# Altium PCB OCP-TimeCardMini-TI_V1.PcbDoc (part 6 of 11)
Units mil, origin at the board's own origin, x right, y up, seen from the top; angles counter-clockwise.
Board outline 5300.46 x 4396.02 mil, 10 copper layers (L01-TOP, L02-GND, L03-SIG, L04-GND, L05-PWR, L06-PWR, L07-GND, L08-SIG, L09-GND, L10-BOT), stack 77.164 mil thick; 832 components, 574 nets, 2904 pads, 1473 vias.
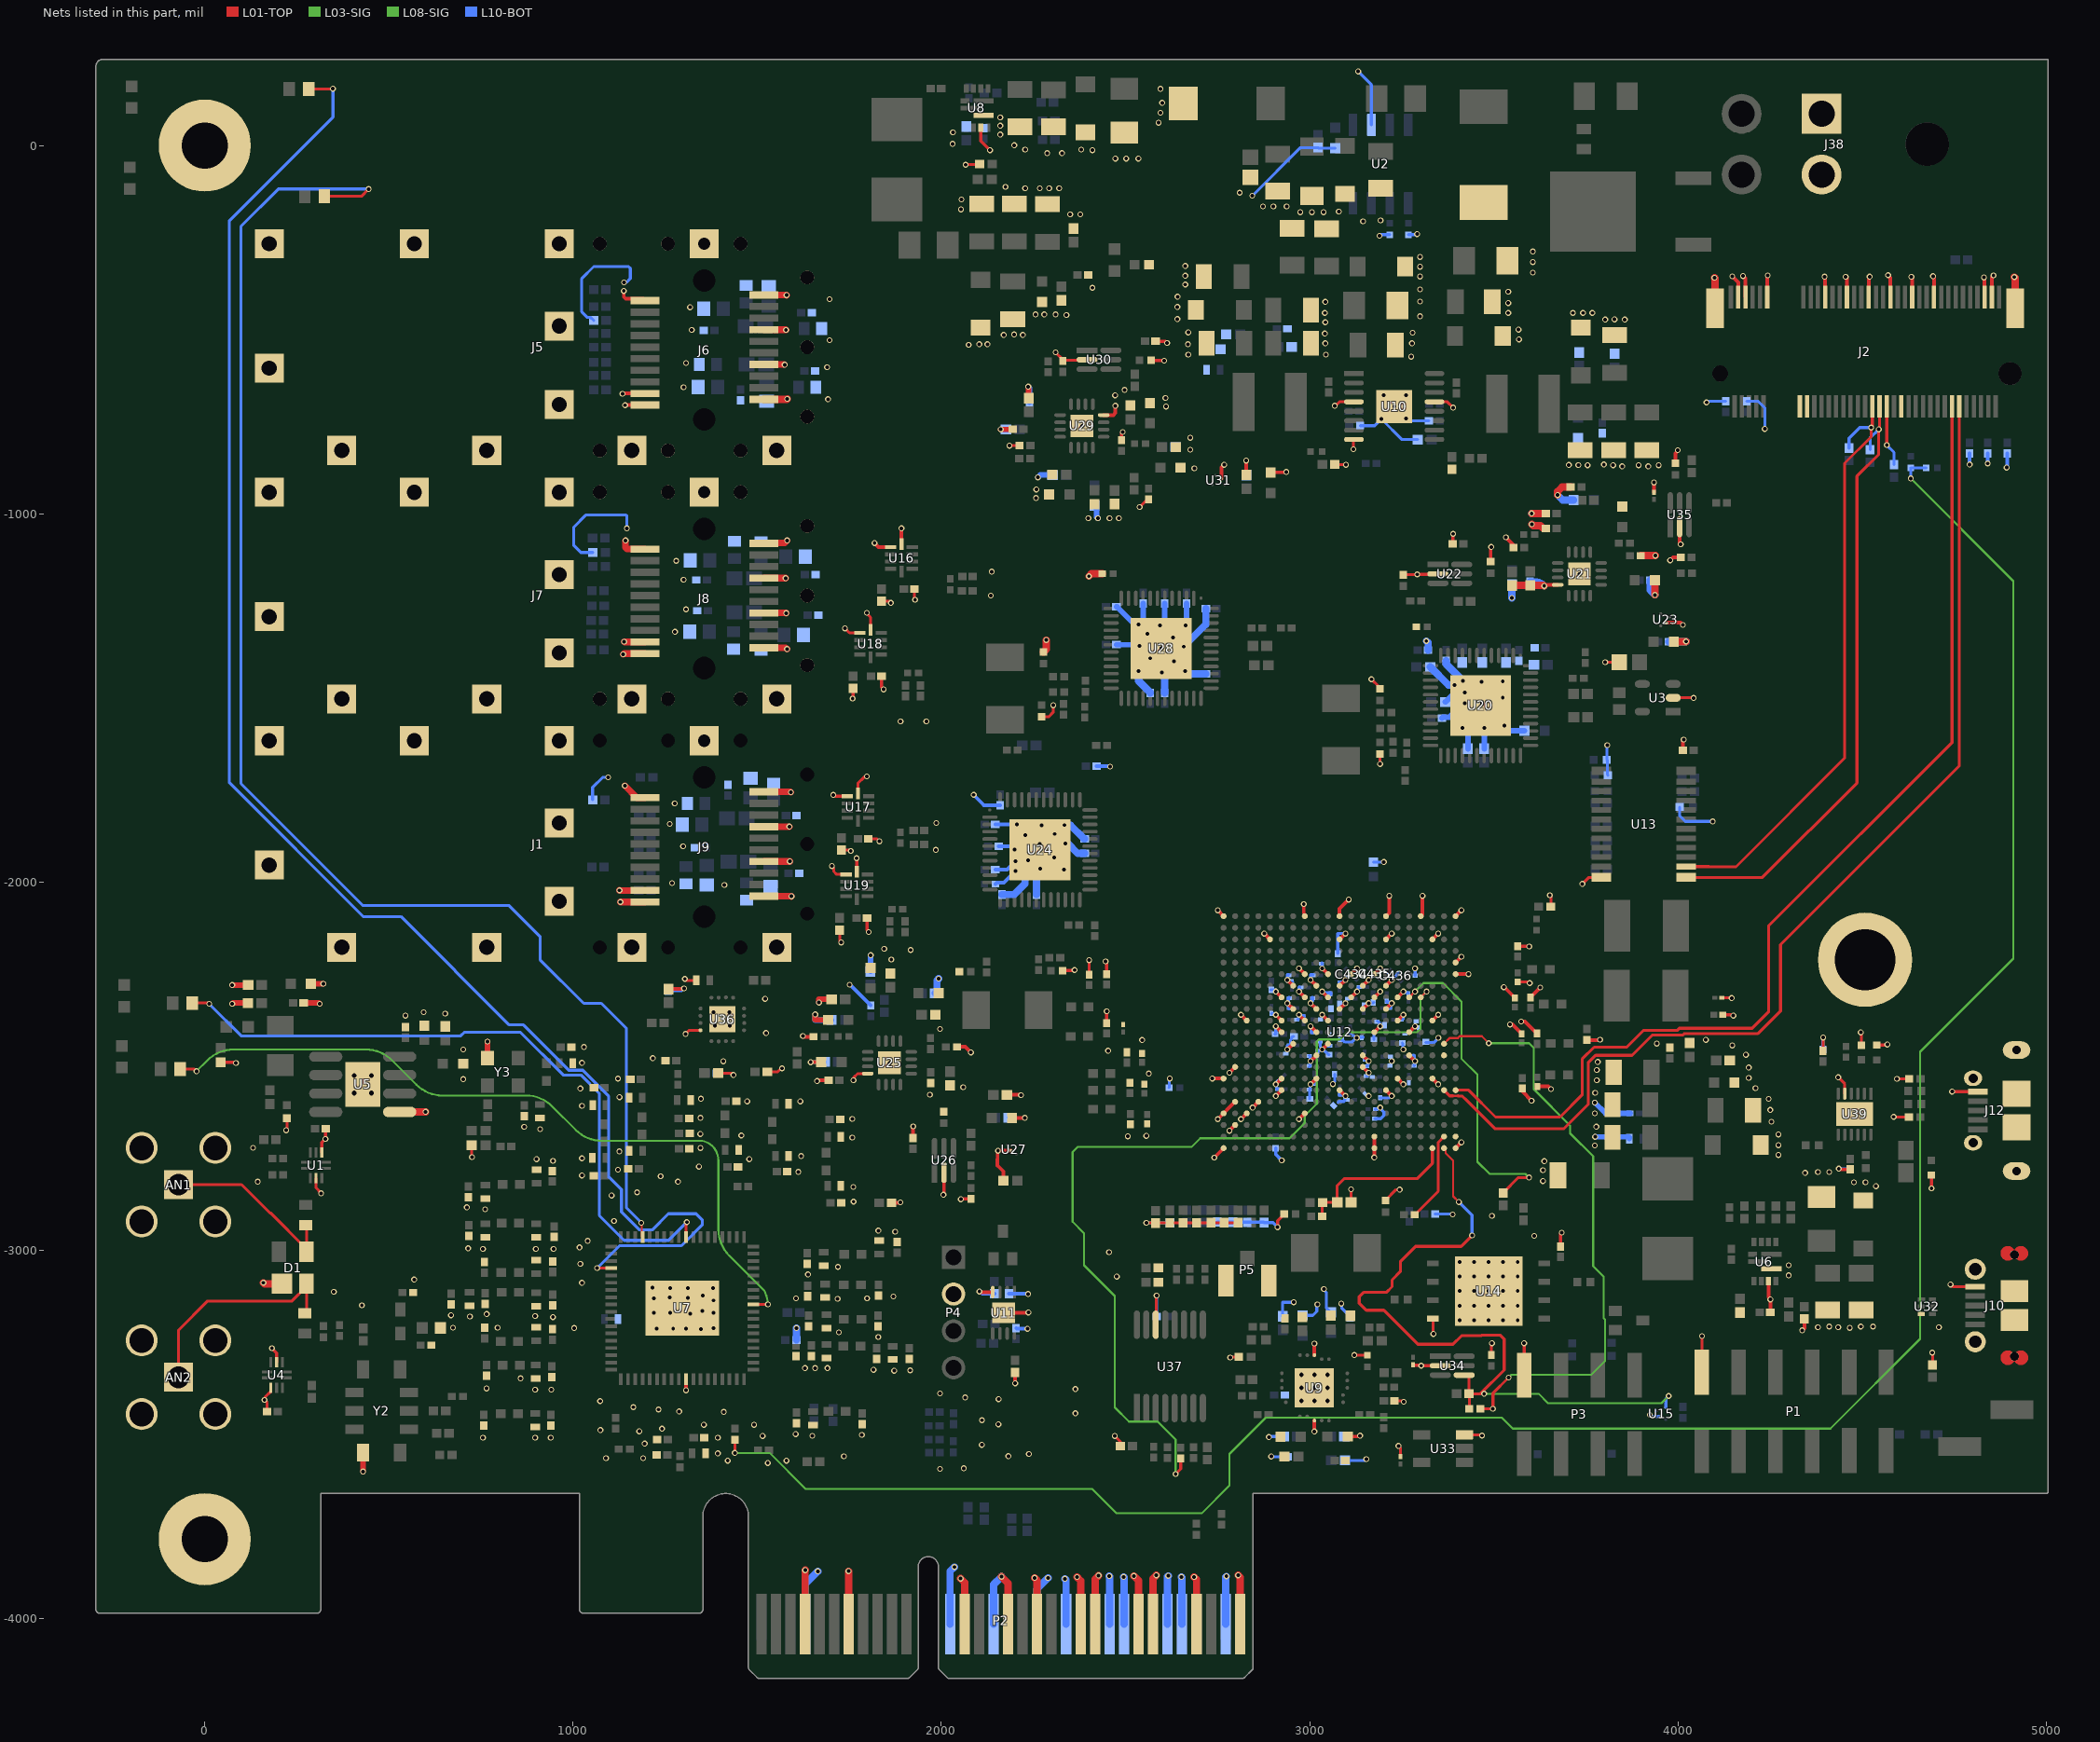
[diagram p14: the nets of this part, all layers, seen from the top]

## Via types
v1: diameter 16, hole 10, L01-TOP to L10-BOT, 1131 vias
v2: diameter 16, hole 10, L01-TOP to L10-BOT, tented both sides, 213 vias
v3: diameter 16, hole 10, L01-TOP to L10-BOT, tented top, 116 vias
v4: diameter 23.62, hole 11.81, L01-TOP to L10-BOT, 9 vias
v5: diameter 25.98, hole 12.99, L01-TOP to L10-BOT, tented top, 4 vias

## Nets (pads, with @x,y where several pads share a name; then routed paths per layer and width w, separated by ;. In a path a pad name is that pad's centre, name@x,y a point inside that pad or via, vN(x,y) a via of type N, cw(c..) or ccw(c..) an arc to the next point about the centre after c; other vN are vias at no path point) (continued)
GND: AN1.2 AN1.3 AN1.4 AN1.5 AN2.2 AN2.3 AN2.4 AN2.5 C1.2 C2.1 C3.2 C4.2 C5.2 C6.1 C7.2 C8.2 C9.1 C10.1 C11.2 C12.2 C13.2 C14.2 C15.1 C16.2 C17.2 C18.1 C19.1 C20.2 C21.2 C22.2 C23.1 C24.2 C25.2 C26.2 C27.1 C28.2 C29.2 C30.2 C31.1 C32.2 C33.2 C34.1 C35.2 C36.1 C37.2 C38.1 C39.2 C40.2 C41.1 C42.2 C43.2 C48.1 C49.2 C50.2 C51.1 C52.2 C53.2 C54.2 C55.2 C56.2 C57.2 C58.2 C59.2 C60.2 C61.2 C63.2 C64.2 C65.2 C66.2 C67.2 C68.2 C69.2 C70.2 C71.2 C72.2 C73.2 C74.1 C75.2 C76.2 C77.2 C78.2 C79.2 C80.2 C81.2 C82.2 C83.2 C84.2 C85.2 C86.2 C87.2 C88.2 C89.2 C90.2 C91.2 C92.2 C93.2 C94.2 C95.2 C96.2 C97.2 C98.2 C99.2 C100.2 C101.2 C102.2 C103.2 C104.2 C105.2 C106.2 C107.2 C108.2 C109.2 C110.2 C111.2 C112.2 C113.2 C114.2 C115.2 C116.2 C117.2 C118.2 C119.2 C120.2 C121.2 C122.2 C123.2 C124.2 C125.2 C126.2 C127.2 C128.2 C129.2 C130.2 C131.2 C132.2 C133.2 C134.2 C135.2 C136.2 C137.2 C138.2 C139.2 C140.2 C141.2 C142.2 C143.2 C144.2 C145.1 C146.2 C147.2 C148.2 C149.2 C150.2 C151.1 C153.2 C154.2 C155.2 C156.2 C157.2 C158.2 C159.2 C160.2 C162.2 C163.2 C164.2 C165.2 C166.2 C167.2 C168.2 C169.2 C170.2 C171.2 C172.2 C173.2 C175.2 C176.2 C177.2 C178.2 C179.2 C180.2 C181.2 C182.2 C183.2 C184.2 C185.2 C186.2 C187.2 C188.2 C189.2 C190.2 C194.2 C195.1 C196.2 C197.2 C198.2 C199.2 C200.2 C201.2 C202.2 C203.2 C204.2 C205.2 C206.2 C207.2 C208.2 C209.1 C210.2 C211.2 C212.2 C213.2 C214.2 C215.2 C216.2 C217.2 C218.2 C219.2 C220.2 C221.2 C222.2 C223.2 C224.2 C225.2 C226.2 C227.2 C228.2 C229.2 C230.2 C231.2 C232.2 C233.2 C236.2 C239.2 C242.2 C245.2 C246.2 C247.2 C248.2 C249.2 C250.2 C251.2 C252.2 C253.2 C254.2 C255.2 C256.2 C257.2 C258.2 C259.2 C260.2 C261.2 C262.2 C263.2 C264.2 C265.2 C266.2 C267.2 C268.2 C269.2 C270.2 C271.2 C272.2 C273.2 C274.2 C275.2 C276.2 C277.2 C278.2 C279.2 C280.2 C281.2 C282.2 C283.2 C284.2 C285.2 C286.2 C287.2 C288.2 C289.2 C290.2 C291.2 C292.2 C293.2 C294.2 C295.2 C296.2 C297.2 C298.2 C299.2 C300.2 C301.2 C302.2 C303.2 C304.2 C305.2 C306.2 C307.2 C308.2 C309.2 C310.2 C311.2 C312.2 C313.2 C314.2 C315.2 C316.2 C317.2 C318.2 C319.2 C320.2 C321.2 C322.2 C323.2 C324.2 C325.2 C326.2 C327.2 C328.2 C329.2 C330.2 C331.2 C332.1 C333.1 C334.1 C335.1 C336.1 C337.1 C338.1 C339.1 C340.2 C341.2 C342.2 C343.2 C344.2 C345.2 C346.2 C347.2 C348.2 C349.2 C350.2 C351.2 C352.2 C353.2 C354.2 C355.2 C356.2 C357.2 C358.2 C359.2 C360.2 C361.2 C362.2 C363.2 C364.2 C365.2 C366.2 C367.2 C368.2 C369.2 C370.2 C371.2 C372.2 C373.2 C374.2 C375.2 C376.2 C377.2 C378.2 C379.2 C380.2 C381.2 C382.2 C383.2 C384.1 C385.2 C386.2 C387.2 C388.2 C389.2 C390.2 C391.2 C392.2 C393.2 C394.2 C395.2 C396.2 C397.2 C398.2 C399.2 C400.2 C401.2 C402.2 C403.2 C404.2 C405.2 C406.2 C407.2 C408.2 C409.2 C410.2 C411.2 C412.2 C413.2 C414.2 C415.2 C416.2 C417.2 C418.2 C419.2 C420.2 C421.2 C422.2 C423.2 C424.2 C425.2 C426.2 C427.2 C428.2 C429.2 C430.2 C431.2 C432.2 C433.2 C434.2 C435.2 C436.2 C443.1 C444.1 C445.2 C446.2 C447.2 C448.2 C449.1 C450.1 C451.2 C452.1 C453.1 C455.1 C456.1 C457.2 C458.2 C459.2 C460.1 C461.1 C462.2 C463.2 C464.2 D1.1 D23.2 J1.MH1 J1.MH2 J1.MH3 J1.MH4 J1.MH5 J1.MH6 J1.MH7 J1.MH8 J1.MH9 J1.MH10 J1.MH11 J1.MH12 J1.MH13 J1.MH14 J1.MH15 J1.MH16 J1.MH17 J1.MH18 J1.MH19 J1.MH20 J2.3 J2.5 J2.11 J2.27 J2.33 J2.39 J2.45 J2.51 J2.57 J2.71 J2.73 J2.76 J2.77 J5.MH1 J5.MH2 J5.MH3 J5.MH4 J5.MH5 J5.MH6 J5.MH7 J5.MH8 J5.MH9 J5.MH10 J5.MH11 J5.MH12 J5.MH13 J5.MH14 J5.MH15 J5.MH16 J5.MH17 J5.MH18 J5.MH19 J5.MH20 J6.1 J6.9 J6.10 J6.11 J6.14 J6.17 J6.20 J7.MH1 J7.MH2 J7.MH3 J7.MH4 J7.MH5 J7.MH6 J7.MH7 J7.MH8 J7.MH9 J7.MH10 J7.MH11 J7.MH12 J7.MH13 J7.MH14 J7.MH15 J7.MH16 J7.MH17 J7.MH18 J7.MH19 J7.MH20 J8.1 J8.9 J8.10 J8.11 J8.14 J8.17 J8.20 J9.1 J9.9 J9.10 J9.11 J9.14 J9.17 J9.20 J10.5 J10.6 J10.7 J10.8 J10.9 J10.10 J10.11 J12.5 J12.6 J12.7 J12.8 J12.9 J12.10 J12.11 J38.1 J38.2 P1.2 P2.A4 P2.A12 P2.A15 P2.A18 P2.A20 P2.A23 P2.A24 P2.A27 P2.A28 P2.A31 P2.B4 P2.B7 P2.B13 P2.B16 P2.B18 P2.B21 P2.B22 P2.B25 P2.B26 P2.B29 P2.B32 P3.2 P4.2 P5.2 P5.3 pad.2 pad.MH1 pad.MH2 R9.2 R18.2 R28.2 R31.1 R34.1 R43.1 R48.1 R52.1 R60.1 R61.1 R62.2 R64.2 R66.1 R70.2 R72.1 R76.2 R77.1 R78.2 R89.1 R95.1 R113.1 R115.1 R125.1 R126.1 R127.1 R128.1 R130.1 R131.2 R137.1 R138.1 R140.1 R142.1 R144.2 R145.2 R151.1 R152.1 R153.1 R156.2 R157.2 R163.1 R164.1 R168.1 R171.2 R172.1 R173.1 R184.2 R185.2 R187.2 R190.1 R191.1 R193.1 R194.1 R195.1 R197.1 R198.1 R199.1 R200.1 R201.1 R202.1 R203.1 R220.2 R234.2 R235.2 R236.2 R250.1 R260.1 U1.4 U1.8 U2.6 U3.2 U4.4 U4.8 U5.5 U5.9 U6.1 U6.11 U7.10 U7.73 U8.1 U8.11 U9.3 U9.13 U9.21 U10.4 U10.8 U10.13 U10.17 U11.4 U11.9 U12.A1 U12.A5 U12.A6 U12.A21 U12.AA1 U12.AA15 U12.AA18 U12.AA21 U12.C3 U12.C10 U12.C15 U12.D1 U12.E11 U12.E13 U12.F8 U12.F10 U12.F15 U12.G1 U12.G3 U12.G7 U12.G9 U12.G16 U12.H6 U12.H8 U12.H11 U12.H20 U12.H21 U12.J7 U12.J9 U12.J13 U12.J14 U12.K6 U12.K8 U12.L1 U12.L3 U12.L7 U12.L9 U12.L16 U12.M6 U12.M8 U12.M10 U12.M12 U12.N7 U12.N9 U12.N11 U12.N13 U12.N15 U12.P1 U12.P6 U12.P8 U12.P10 U12.P18 U12.R7 U12.R9 U12.R12 U12.T8 U12.T10 U12.T11 U12.T15 U12.T16 U12.U3 U12.V17 U12.W10 U12.W18 U12.Y14 U12.Y17 U12.Y19 U13.12 U14.4 U14.9 U15.2 U16.1 U16.10 U17.1 U17.10 U18.1 U18.10 U19.1 U19.10 U20.49 U21.12 U21.17 U22.2 U23.2 U24.49 U25.12 U25.17 U26.2 U27.2 U28.49 U29.12 U29.17 U30.2 U31.2 U32.3 U33.3 U34.2 U35.2 U36.4 U36.17 U37.14 U39.5 U39.13 Y2.5 Y3.3 | length 20473.4
  L01-TOP w8: R31.1@43.19,-2489.01 82.94,-2489.01 v1(84.85,-2490.92) ; C29.2@169.39,-3437.26 169.39,-3413.23 v1(162.22,-3406.06) 163.75,-3404.53 163.75,-3398.44 179.54,-3382.65 U4.8@179.54,-3372.65 ; v1(182.49,-3265.68) 195.29,-3278.48 U4.4@195.29,-3303.65 ; v1(221.16,-2673.81) 223.18,-2671.78 R34.1@223.18,-2641.55 ; U1.4@302.29,-2803.4 302.29,-2830.24 315.79,-2843.74 v1(315.79,-2845.03) ; U1.8@318.04,-2734.4 318.04,-2706.89 v1(327.64,-2697.29) 328.03,-2696.9 328.03,-2669.72 C26.2@328.43,-2669.33 ; R89.1@724.89,-2714.38 724.89,-2746.13 v1(725.54,-2746.78) ; v3(1303.58,-2262.73) 1307.57,-2266.73 C104.2@1334.89,-2266.73 ; v1(1305.64,-2412.2) 1315.59,-2402.25 U36.4@1346.13,-2402.25 ; C446.2@1394.38,-2518.84 1430.58,-2518.84 v1(1435.3,-2523.56) ; R220.2@1527.61,-2515.16 1555.71,-2515.16 1565.27,-2505.6 v1(1567.43,-2505.6) ; v3(1702.87,-1956.28) 1707.71,-1961.11 1707.71,-1971.14 1715.58,-1979.02 U19.1@1741.1,-1979.02 ; v3(1706.46,-1762.94) 1708.63,-1762.94 1712.26,-1766.58 U17.1@1744.55,-1766.58 ; R130.1@1724.03,-2130.49 1724.03,-2159.81 v3(1728.02,-2163.8) ; R115.1@1728.95,-1913.23 1751.85,-1913.23 v1(1753.99,-1915.38) ; v3(1738.4,-1310.98) 1750.6,-1323.18 U18.1@1778.55,-1323.18 ; v1(1759.1,-1501.76) 1760.15,-1500.71 R125.1@1760.15,-1473.87 ; v1(1761.24,-2537.81) 1762.77,-2536.28 1762.77,-2529.67 1772.36,-2520.08 U25.12@1800.11,-2520.08 ; v1(1770.02,-1935) 1770.28,-1935.26 U19.10@1770.28,-1971.14 ; U17.10@1773.73,-1758.7 1773.73,-1730.95 1790.31,-1714.37 1796.06,-1714.37 v1(1797.59,-1712.84) ; v1(1797.61,-1268.8) 1797.61,-1270.96 1807.74,-1281.08 U18.10@1807.74,-1315.31 ; C242.2@1798.26,-2098.01 1798.26,-2130.7 v1(1802.9,-2135.34) ; C236.2@1801.85,-1882.72 1825.51,-1882.72 v1(1831.92,-1889.13) ; C239.2@1837.52,-1440.55 1837.52,-1470.74 v1(1843.4,-1476.62) ; R113.1@1837.52,-1237.33 1858.18,-1237.33 v1(1862.8,-1241.95) ; C233.2@1927,-1204.35 1927,-1231.86 v1(1928.61,-1233.48) ; v1(2065.78,-52.17) 2066.82,-51.13 2103.07,-51.13 R95.1@2104.11,-50.09 ; U8.11@2106.95,48.52 2106.95,12.58 v1(2132.04,-12.5) ; v1(2184.83,-814.79) 2212.2,-814.79 R163.1@2212.27,-814.73 ; C452.1@2272.43,-1550.8 2291.85,-1550.8 2303.54,-1539.11 2303.54,-1520.01 v1(2303.77,-1519.78) ; v1(2310.14,-561.63) 2329.75,-581.23 R171.2@2329.75,-585.02 ; C455.1@2329.35,-2240.09 2360.24,-2240.09 v1(2361.67,-2238.66) ; R171.2@2331.87,-582.9 2394.34,-582.9 U30.2@2395.64,-581.6 ; C347.2@2401.26,-2251.63 2401.26,-2211.97 v1(2401.35,-2211.89) ; v1(2446.06,-2215.23) 2448.82,-2217.99 C348.2@2448.82,-2250.31 ; C360.2@2448.82,-2382.85 v1(2448.82,-2350.77) ; v1(2470.69,-3503.71) 2485.57,-3518.59 R234.2@2485.57,-3531.02 ; R168.1@2489.03,-799.96 2489.03,-781.09 v1(2492.44,-777.68) ; v1(2538.18,-981.5) 2558.5,-961.18 R164.1@2562.5,-961.18 ; v1(2556.43,-2925.24) 2804.29,-2925.24 R191.1@2805.2,-2924.33 ; C331.2@2569.2,-583.37 2604.28,-583.37 v1(2605.13,-584.22) ; C330.2@2581.58,-531.5 2608.39,-531.5 v1(2612.91,-536.02) ; U37.14@2582.02,-3201.71 2583.12,-3200.61 2583.12,-3123.54 v1(2584.22,-3122.44) ; v1(2784.09,-3290.69) 2785.41,-3289.37 R48.1@2807.28,-3289.37 ; v1(2912.99,-2936.75) 2912.99,-2919.06 C443.1@2930.69,-2901.37 ; v2(2983.97,-2059.81) 2983.99,-2084.27 2986.73,-2087.01 U12.P1@2986.68,-2092.35 ; R60.1@3067.91,-866.14 3098.16,-866.14 v1(3098.66,-866.65) ; v1(3067.91,-706.41) 3070.08,-706.41 3080.6,-695.88 U10.4@3120.15,-695.88 ; C201.2@3103.15,-3505.36 3134.54,-3505.36 v1(3136.78,-3503.12) ; R260.1@3112.16,-2869.82 3112.16,-2834.33 v3(3112.3,-2834.19) ; v1(3118.79,-824.8) 3118.79,-799.6 U10.8@3120.15,-798.24 ; v1(3121.38,-3284.02) 3121.81,-3284.45 R52.1@3157.14,-3284.45 ; v1(3167.68,-1449.1) 3188.56,-1469.99 cw(c3183.53,-1475.02) C450.1@3190.65,-1475.02 ; C449.1@3191.09,-1651.83 3191.09,-1678.82 v1(3191.31,-1679.04) ; C444.1@3205.5,-2864.22 3234.82,-2834.9 v3(3244.34,-2834.9) ; C194.2@3230.31,-3408.86 3253.37,-3408.86 v1(3255.56,-3411.04) ; v1(3240.97,-3530.92) 3246.68,-3536.63 C429.2@3246.68,-3560.07 ; R144.2@3253.88,-1166.09 3254.74,-1165.23 3290.99,-1165.23 v1(3291.85,-1164.37) 3346.84,-1164.37 U22.2@3348.14,-1163.07 ; C430.2@3280.18,-3310.43 3280.18,-3310.53 3281.35,-3311.7 3301.54,-3311.7 v1(3302.81,-3312.97) 3302.87,-3312.91 U34.2@3354.86,-3312.91 ; U14.4@3334.77,-3185.4 3334.77,-3225.49 v1(3335.77,-3226.49) ; U10.13@3338.69,-695.88 3373.82,-695.88 v1(3389.57,-711.63) ; C272.2@3388.29,-1081.83 3388.8,-1081.32 3388.8,-1054.79 v1(3389.32,-1054.27) ; U33.3@3420.32,-3500.44 3465.69,-3500.44 v1(3467.97,-3502.72) ; C273.2@3491.23,-1129.24 3491.23,-1091.54 v1(3492.93,-1089.84) ; C432.2@3493.23,-3283.84 3493.23,-3253.3 v1(3494.74,-3251.79) ; C381.2@3564.69,-2270.87 3594.05,-2270.87 v1(3597.25,-2274.07) ; C380.2@3564.69,-2174.26 3595.61,-2174.26 v1(3595.95,-2174.6) ; P3.2@3582.28,-3338.58 v1(3582.28,-3252.08) ; v1(3652.05,-2035.39) 3654.88,-2038.22 R173.1@3654.88,-2066.85 ; C232.2@3681.15,-2989.08 3681.15,-2954.7 v1(3684.27,-2951.58) ; v1(3740.34,-2004.85) 3757.99,-1987.2 U13.12@3791.9,-1987.2 ; v1(3802.22,-1402.89) 3802.51,-1403.17 C36.1@3840.46,-1403.17 ; U3.2@3987.1,-1499.46 4041.91,-1499.46 v1(4042.22,-1499.78) ; P1.2@4064.96,-3330.71 v1(4064.96,-3232.47) ; C412.2@4119.44,-2314.25 4145.14,-2314.25 v1(4145.8,-2314.91) ; C411.2@4121.77,-2360.07 4148.19,-2360.07 v1(4150.45,-2362.33) ; C458.2@4393.5,-2458.23 4393.82,-2457.91 4393.82,-2422.04 v1(4394.14,-2421.73) ; v1(4435.02,-2530.01) 4452.74,-2547.73 U39.5@4452.74,-2574.13 ; v1(4436.55,-2777.95) 4438.63,-2780.03 C463.2@4467.36,-2780.03 ; v1(4496.08,-2408.11) 4498.03,-2410.06 C462.2@4498.03,-2442.98 ; R250.1@4539.42,-2442.49 4566.81,-2442.49 v1(4568.28,-2441.03) ; v1(4585.69,-2637.26) ccw(c4587.12,-2635.83) 4587.12,-2637.85 C461.1@4627.22,-2637.85 ; v1(4594.34,-2534.05) 4594.63,-2533.76 C460.1@4627.98,-2533.76 ; C457.2@4687.97,-2795.16 4688.19,-2795.38 4688.19,-2831.15 v1(4688.41,-2831.37) ; v1(4690.04,-3277.53) 4691.17,-3278.67 R185.2@4691.17,-3310.65 ; v1(4739.9,-3092.65) 4745.68,-3098.43 J10.5@4807.09,-3098.43 ; v1(4744.26,-2568.66) 4744.55,-2568.95 J12.5@4813.98,-2568.95 ; v1(4830.71,-358.27) v1@4831.69,-359.25 ; J2.71@4831.69,-410.45 J2.71@4832.68,-411.43
  L01-TOP w10: v3(1134.14,-674.18) 1135.08,-673.23 J6.9@1194.88,-673.23 ; v3(1137.8,-394.69) 1137.8,-410.56 1143.65,-416.42 1190.04,-416.42 J6.1@1194.88,-421.26 ; v3(1141.2,-705.02) 1141.49,-704.72 J6.10@1194.88,-704.72 ; C445.2@1258.82,-2290.4 1299.64,-2290.4 v1(1301.36,-2288.69) ; U7.10@1306.72,-3349.59 1306.72,-3379.43 v1(1306.9,-3379.61) ; v3@1573.87,-594.49 v3(1574.6,-595.23) ; v1(1624.02,-2417.76) 1625.93,-2419.68 R153.1@1653.09,-2419.68 ; v1(1645.19,-2488.79) 1645.36,-2488.62 1673.67,-2488.62 C295.2@1673.84,-2488.44 ; v1(1662.71,-2540.02) 1664.54,-2538.19 C298.2@1693.86,-2538.19 ; v1(1818.51,-1079.3) 1829.4,-1090.18 U16.1@1862.3,-1090.18 ; R70.2@1864.69,-2870.8 1887.5,-2870.8 v1(1888.99,-2869.31) ; U16.10@1891.49,-1082.31 1891.49,-1039.62 v1(1891.8,-1039.31) ; C301.2@1923.24,-2695.17 1923.24,-2663.45 v1(1923.62,-2663.07) ; v1(2005.7,-2848.88) 2007.06,-2847.52 U26.2@2007.06,-2787.77 ; R151.1@2042.18,-2447.25 2065.2,-2447.25 v1(2080.31,-2462.35) ; v1(2052.95,-2860.89) 2053.86,-2859.97 R156.2@2080.31,-2859.97 ; v1(2103.3,-3111.46) 2105.11,-3113.28 U11.4@2139.39,-3113.28 ; C297.2@2168.3,-2811.15 2168.3,-2785.24 2151.96,-2768.9 2151.96,-2752.92 2152.65,-2752.23 2152.65,-2730.61 v1(2153.8,-2729.46) 2154.02,-2729.24 U27.2@2188.57,-2729.24 ; U11.9@2168.92,-3169.4 2235.15,-3169.4 v1(2236.17,-3168.38) ; C275.2@2178.21,-2577.35 2214.96,-2577.35 v1(2215.93,-2578.32) ; C274.2@2191.72,-2640.07 v1(2226.45,-2640.06) ; R76.2@2200.17,-3331.65 2200.17,-3360.75 v1(2200.27,-3360.85) ; U29.12@2440.63,-731.79 2466.49,-731.79 2472.35,-725.93 v1(2472.35,-706.41) ; v2(2735.68,-2533.35) U12.AA15@2766.18,-2533.35 ; v2(2741.03,-2747.81) 2741.03,-2747.66 U12.AA21@2766.18,-2722.35 U12.AA21@2766.26,-2722.27 ; v2(2750.51,-2643.53) U12.Y17@2797.75,-2596.29 ; v2(2750.51,-2076.61) U12.AA1@2766.18,-2092.35 ; U31.2@2760.08,-904.69 2760.08,-874.48 v1(2767.76,-866.8) ; v2(2782.01,-2675.03) U12.Y19@2797.75,-2659.28 ; v2(2782.01,-2517.55) U12.Y14@2797.75,-2501.8 ; v2(2813.5,-2643.53) U12.W18@2829.25,-2627.79 ; v2(2813.5,-2360.07) U12.W10@2829.25,-2375.82 ; v1(2827.61,-855.47) 2827.88,-855.75 2827.88,-894.38 C305.2@2828.16,-894.66 ; v2(2845,-2612.04) U12.V17@2860.75,-2596.29 ; v2(2876.49,-2139.6) U12.U3@2892.24,-2155.35 ; C303.2@2893.99,-888.16 2894.87,-887.28 2935.46,-887.28 v1(2936.34,-886.39) ; v2(2907.99,-2580.54) U12.T16@2923.68,-2564.85 U12.T16@2923.74,-2564.79 ; v2(2907.99,-2549.05) U12.T15@2923.74,-2533.3 ; v2(2907.99,-2391.57) U12.T11@2923.74,-2407.31 ; v2(2907.99,-2360.07) U12.T10@2923.74,-2375.82 ; v2(2907.99,-2297.08) U12.T8@2923.74,-2312.83 ; v2(2939.49,-2454.56) U12.R12@2955.23,-2438.81 ; v2(2939.49,-2328.57) U12.R9@2955.23,-2344.32 ; v2(2939.49,-2265.58) U12.R7@2955.23,-2281.33 ; v2(2970.98,-2643.53) U12.P18@2986.73,-2627.79 ; v2(2970.98,-2360.07) U12.P10@2986.73,-2375.82 ; v2(2970.98,-2297.08) U12.P8@2986.73,-2312.83 ; v2(2970.98,-2234.09) U12.P6@2986.73,-2249.83 ; v2(3002.48,-2549.05) U12.N15@3018.23,-2533.3 ; v2(3002.48,-2486.05) U12.N13@3018.18,-2470.35 U12.N13@3018.23,-2470.31 ; v2(3002.48,-2391.57) U12.N11@3018.23,-2407.31 ; v2(3002.48,-2328.57) U12.N9@3018.23,-2344.32 ; v2(3002.48,-2265.58) U12.N7@3018.23,-2281.33 ; v1(3012.95,-3491.65) U9.3@3012.95,-3461.97 ; U9.13@3012.95,-3284.41 v1(3012.95,-3252.63) v1@3013.5,-3252.08 ; v2(3033.97,-2454.56) U12.M12@3049.68,-2438.85 ; v2(3033.97,-2360.07) U12.M10@3049.72,-2375.82 ; v2(3033.97,-2297.08) U12.M8@3049.72,-2312.83 ; v2(3033.97,-2234.09) U12.M6@3049.72,-2249.83 ; U12.L16@3081.22,-2564.79 v2(3096.97,-2580.54) ; U12.L9@3081.22,-2344.32 v2(3096.97,-2328.57) ; U12.L7@3081.22,-2281.33 v2(3096.97,-2265.58) ; U12.L3@3081.22,-2155.35 v2(3096.97,-2139.6) ; U12.L1@3081.18,-2092.35 3081.22,-2072.31 v2(3106.22,-2047.31) ; U12.K8@3112.71,-2312.83 v2(3128.46,-2297.08) ; U12.K6@3112.71,-2249.83 v2(3128.46,-2234.09) ; U12.J14@3144.21,-2501.8 v2(3159.96,-2517.55) ; U12.J13@3144.21,-2470.31 v2(3159.96,-2486.05) ; U12.J9@3144.21,-2344.32 v2(3159.96,-2328.57) ; U12.J7@3144.21,-2281.33 v2(3159.96,-2265.58) ; v2(3175.12,-2747.57) 3175.12,-2743.41 3175.71,-2742.83 U12.H20@3175.71,-2690.78 ; U12.H11@3175.71,-2407.31 v2(3191.45,-2391.57) ; U12.H8@3175.71,-2312.83 v2(3191.45,-2297.08) ; U12.H6@3175.71,-2249.83 v2(3191.45,-2234.09) ; U12.G16@3207.2,-2564.79 v2(3222.95,-2580.54) ; U12.G9@3207.2,-2344.32 v2(3222.95,-2328.57) ; U12.G7@3207.2,-2281.33 v2(3222.95,-2265.58) ; U12.G3@3207.2,-2155.35 v2(3222.95,-2139.6) ; U12.G1@3207.18,-2092.35 3216.22,-2083.34 v2(3216.22,-2037.31) ; U12.F15@3238.7,-2533.3 v2(3254.45,-2549.05) ; U12.F10@3238.7,-2375.82 v2(3254.45,-2360.07) ; U12.F8@3238.7,-2312.83 v2(3254.45,-2297.08) ; U12.E13@3270.19,-2470.31 v2(3285.94,-2486.05) ; U12.E11@3270.19,-2407.31 v2(3285.94,-2391.57) ; U12.D1@3301.68,-2092.35 3306.22,-2087.83 v2(3306.22,-2037.31) ; U12.C15@3333.19,-2533.3 v2(3348.93,-2549.05) ; U12.C10@3333.19,-2375.82 v2(3348.93,-2360.07) ; U12.C3@3333.19,-2155.35 v2(3348.93,-2139.6) ; U12.A21@3396.18,-2722.27 v2(3411.93,-2706.53) ; U12.A6@3396.18,-2249.83 v2(3431.22,-2249.83) ; U12.A5@3396.18,-2218.34 v2(3411.93,-2202.59) ; U12.A1@3396.18,-2092.35 v2(3411.93,-2076.61) ; v1(3526.92,-2285.15) 3527.96,-2285.15 C397.2@3557.37,-2314.55 ; v1(3532.92,-1063.89) 3553.09,-1084.06 R140.1@3553.09,-1091.91 ; v1(3543.68,-2386.59) 3550.62,-2386.59 C358.2@3575.54,-2411.5 ; v1(3574.11,-2378.55) 3584.88,-2378.55 C357.2@3617.53,-2411.19 ; C354.2@3577.49,-2560.3 3577.49,-2568.55 v1(3602.54,-2593.6) ; C396.2@3599.26,-2313.09 3625.87,-2286.48 v1(3625.87,-2285.93) ; C355.2@3618.67,-2554.47 3647.82,-2554.47 v1(3655.36,-2562.02) ; v1(3636.88,-1195.62) 3638.51,-1195.62 3641.45,-1192.67 U21.12@3673.34,-1192.67 ; C338.1@3752.38,-2428.58 3787.94,-2428.58 v1(3788.59,-2427.93) ; v1(3934.84,-914.93) 3935.25,-915.34 C431.2@3935.25,-941.07 ; U23.2@3968.95,-1295.57 4007.43,-1295.57 v1(4013.33,-1301.48) ; v1(3978.56,-1126.29) 3986.45,-1118.39 R184.2@4007.45,-1118.39 ; C433.2@3992.58,-862.2 3992.58,-835.78 3999.47,-828.89 v1(3999.47,-827.27) ; U35.2@4004.47,-1034.75 4004.47,-1079.83 v1(4007.25,-1082.61) ; C70.2@4013.33,-1641.73 4013.33,-1615.29 v1(4015.53,-1613.09) ; v1(4147.47,-355.17) 4163.39,-371.09 J2.3@4163.39,-411.43 ; v1(4176.68,-354.3) 4183.07,-360.69 J2.5@4183.07,-411.43 ; J2.11@4242.13,-411.43 4242.13,-353.93 v1(4243.49,-352.57) ; U6.11@4245.99,-3083.31 4245.99,-3126.8 4250.71,-3131.52 v1(4250.71,-3133.15) 4250.62,-3133.23 4250.62,-3168.27 C173.2@4250.54,-3168.35 ; v1(4337.37,-3217.17) 4343.08,-3211.45 R43.1@4343.08,-3186.07 ; v1(4397.95,-356.04) 4399.61,-357.69 J2.27@4399.61,-411.43 ; v1(4455.22,-356.33) 4458.66,-359.76 J2.33@4458.66,-411.43 ; J2.39@4517.72,-411.43 4517.72,-358.63 v1(4520.3,-356.04) ; v1(4570.34,-351.99) 4576.77,-358.42 J2.45@4576.77,-411.43 ; v1(4633.69,-356.62) 4635.83,-358.76 J2.51@4635.83,-411.43 ; v1(4692.41,-354.88) 4694.88,-357.36 J2.57@4694.88,-411.43 ; J2.71@4831.69,-410.45 v1@4831.69,-359.25 ; J2.73@4852.36,-411.43 4852.36,-357.11 v1(4856.65,-352.82)
  L01-TOP w15: v1(74.69,-2330.54) 74.96,-2330.54 77.26,-2328.24 C60.2@116.99,-2328.24 ; v1(74.69,-2279.43) C59.2@117.46,-2279.43 ; C61.2@268.5,-2328.24 309.63,-2328.24 311.92,-2330.54 v1(312.19,-2330.54) ; C58.2@288.51,-2275.85 v3(322.04,-2275.85) ; v1(429.73,-3600.31) 430.14,-3599.9 Y2.5@430.14,-3548.97 ; v1(767.59,-2432.67) 767.59,-2432.94 767.98,-2433.34 Y3.3@767.98,-2478.2 ; v1(1657.51,-2359.1) 1657.51,-2373.95 C279.2@1692.68,-2373.95 ; v1(1667.85,-2326.86) 1667.85,-2318.23 C280.2@1701.68,-2318.23 ; v1(2161.19,-770.76) C327.2@2194.11,-770.76 ; v1(2235.84,-654.57) 2235.84,-654.84 2237.07,-656.08 C325.2@2237.07,-686.54
  L01-TOP w18: v3(1126.01,-2022.23) 1126.26,-2022.48 J9.9@1194.88,-2022.48 ; v3(1128.55,-2053.86) 1128.67,-2053.98 J9.10@1194.88,-2053.98 ; v3(1136.26,-1381.32) 1138.23,-1379.35 J8.10@1194.88,-1379.35 ; v3(1138.77,-1347.22) 1139.41,-1347.86 J8.9@1194.88,-1347.86 ; v3(1140.64,-1738.18) 1172.97,-1770.52 J9.1@1194.88,-1770.52 ; v3(1142.53,-1072.27) 1142.53,-1091.42 1146.16,-1095.05 1194.04,-1095.05 J8.1@1194.88,-1095.89 ; J9.11@1517.72,-2038.23 1592.79,-2038.23 v3(1593.15,-2038.6) ; J9.14@1517.72,-1943.74 v3(1588.42,-1943.71) v3(1588.42,-1943.71) ; J9.17@1517.72,-1849.26 1587.26,-1849.26 v3(1587.33,-1849.18) ; J9.20@1517.72,-1754.77 1590.06,-1754.77 v3(1591.33,-1756.03) ; J8.11@1517.72,-1363.6 1577.64,-1363.6 v3(1581,-1366.96) ; J8.14@1517.72,-1269.12 1578.44,-1269.12 v3(1578.92,-1269.59) ; J8.17@1517.72,-1174.63 1576.75,-1174.63 v3(1576.99,-1174.87) ; J8.20@1517.72,-1080.14 1518.56,-1079.3 1574.37,-1079.3 v3(1581.39,-1072.27) ; J6.14@1517.72,-594.49 v3@1573.87,-594.49 ; J6.17@1517.72,-500 1577.3,-500 v3(1578.13,-500.84) ; J6.20@1517.72,-405.51 1578.89,-405.51 v3(1579.74,-406.36)
  L01-TOP w20: v1(159.42,-3087.68) 162.22,-3090.48 D1.1@209.4,-3090.48 ; U5.5@529.35,-2623.96 599.41,-2623.96 v1(599.93,-2623.44) ; J6.11@1517.72,-688.98 1580.65,-688.98 v3(1581.82,-687.8) ; P2.B4@1629.92,-4014.27 1629.92,-3868.65 v1(1630.28,-3868.29) ; v1(1747.78,-3870.87) 1748.03,-3871.12 P2.B7@1748.03,-4014.27 ; v1(2052.36,-3890.97) 2062.99,-3901.6 P2.B13@2062.99,-4014.27 ; v1(2163.16,-3885.82) 2181.1,-3903.76 P2.B16@2181.1,-4014.27 ; v1(2253.35,-3888.91) 2259.84,-3895.4 P2.B18@2259.84,-4014.27 ; C453.1@2277.56,-1374.75 2284.71,-1367.6 v1(2284.71,-1342.68) ; v1(2368.28,-3886.85) 2377.95,-3896.52 P2.B21@2377.95,-4014.27 ; v1(2400.61,-1169.49) 2407.47,-1162.63 R157.2@2436.67,-1162.63 ; P2.B22@2417.32,-4014.27 2417.32,-3892.43 v1(2427.03,-3882.72) ; v1(2522.89,-3883.76) 2535.43,-3896.3 P2.B25@2535.43,-4014.27 ; P2.B26@2574.8,-4014.27 2574.8,-3891.11 v1(2583.7,-3882.21) ; v1(2686.25,-3886.85) 2692.91,-3893.5 P2.B29@2692.91,-4014.27 ; v1(2805.82,-3882.21) 2811.02,-3887.41 P2.B32@2811.02,-4014.27 ; C267.2@3549.01,-1195.33 3549.77,-1194.57 3597.78,-1194.57 C271.2@3598.55,-1193.8 3635.07,-1193.8 v1(3636.88,-1195.62) ; v1(3602.71,-998.88) 3603.28,-999.45 C254.2@3641.46,-999.45 ; v1(3602.98,-1028.57) 3606.72,-1032.31 3626.64,-1032.31 3634.48,-1040.14 C255.2@3641.46,-1040.14 ; v1(3673.34,-949.11) 3673.34,-939.15 3684.9,-927.59 3708.13,-927.59 R138.1@3708.29,-927.43 ; R137.1@3898.94,-1113.49 3938.52,-1113.49 v1(3938.6,-1113.57) ; v1(3937.57,-1220.12) C266.2@3937.57,-1179.72 ; C245.2@3988.64,-1346.75 4021.53,-1346.75 v1(4021.66,-1346.62) ; v1(4098.86,-359.07) 4100.39,-360.61 J2.76@4100.39,-441.94 ; v1(4913.39,-357.11) 4915.35,-359.07 J2.77@4915.35,-441.94